# Altium PCB Dahlia Carrier Board.PcbDoc (part 7 of 10) (continued)
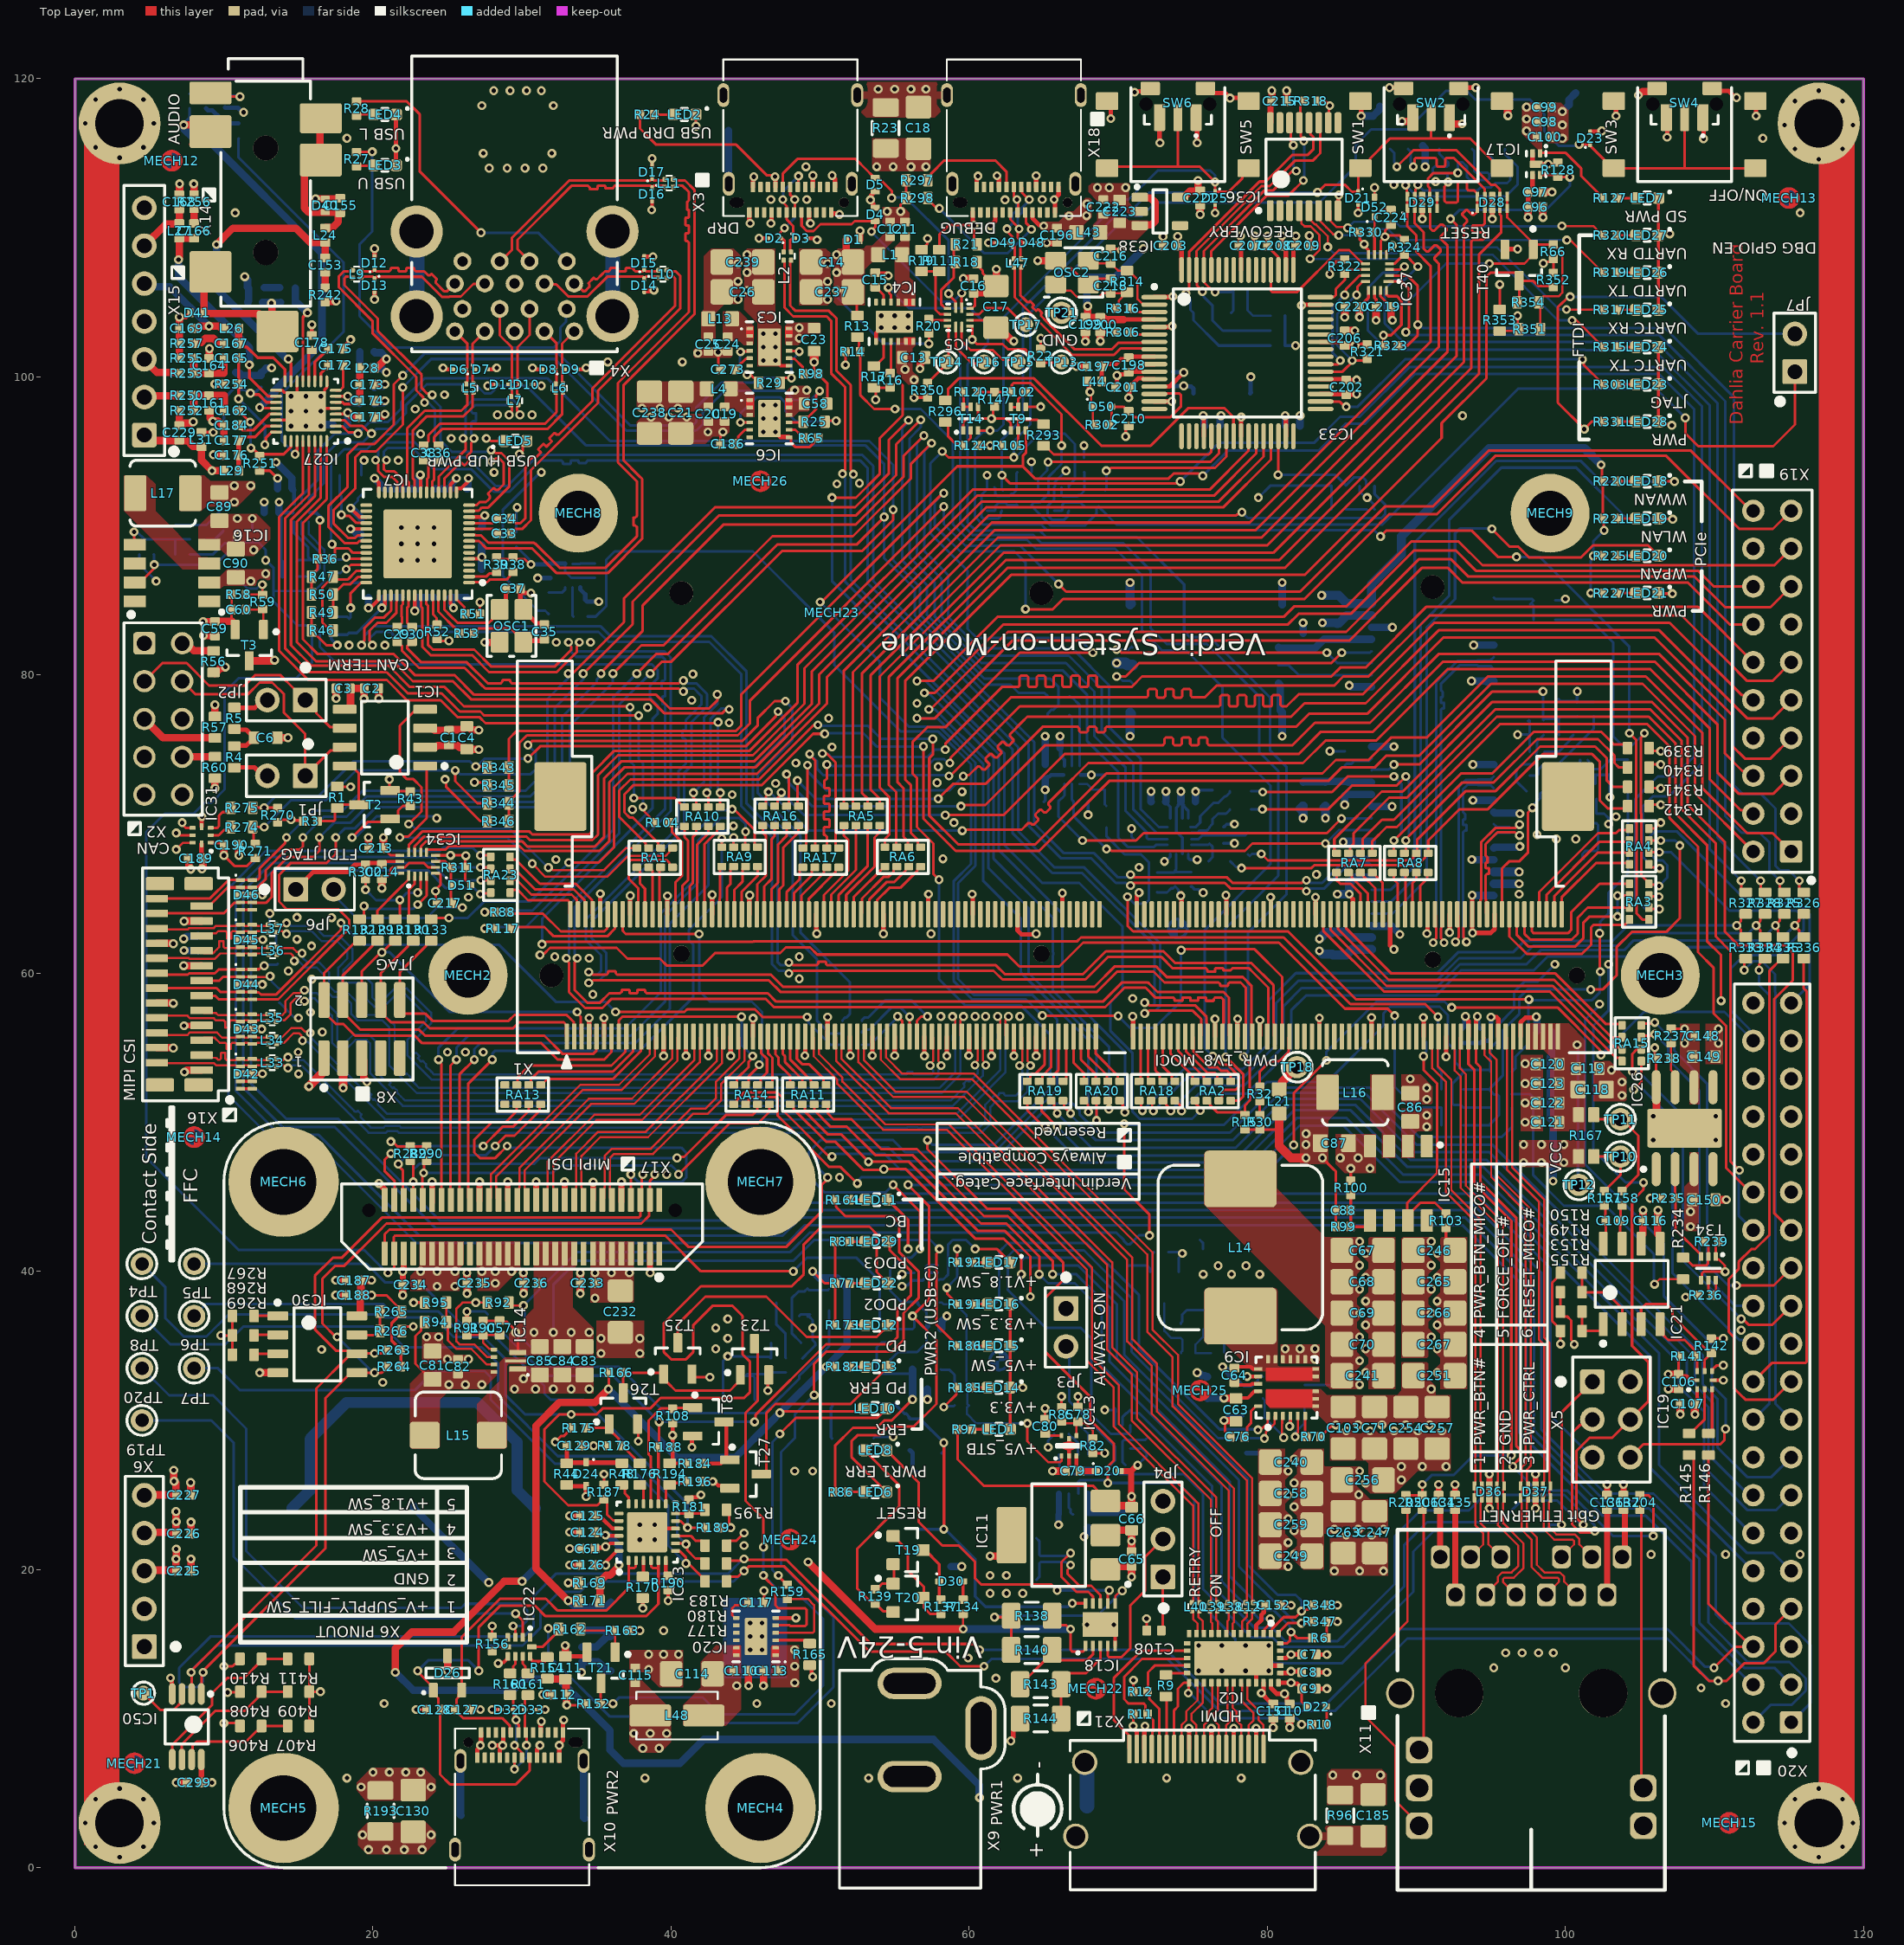
[diagram p0: Top Layer view]
## Nets (pads, with @x,y where several pads share a name; then routed paths per layer and width w, separated by ;. In a path a pad name is that pad's centre, name@x,y a point inside that pad or via, vN(x,y) a via of type N, cw(c..) or ccw(c..) an arc to the next point about the centre after c; other vN are vias at no path point) (continued)
NetC108_1: C108.1 JP4.1 | length 3.6
  Top Layer w0.175: C108.1@72.89,15.9 72.89,15.963 73,16.073 JP4.1@73,19.5
NetC109_1: C109.1 IC21.7 R158.2 | length 2.7
  Top Layer w0.175: IC21.7@103.815,41.85 103.69,41.975 C109.1@103.69,43.4 103.7,43.41 103.7,44.253 103.815,44.368 R158.2@103.815,44.419
NetC109_2: C109.2 IC21.8 R157.2 | length 2.7
  Top Layer w0.175: IC21.8@102.545,41.85 102.71,42.015 C109.2@102.71,43.4 102.7,43.41 102.7,44.334 R157.2@102.615,44.419
NetC117_2: C117.2 IC20.7 | length 2.1
  Top Layer w0.15: IC20.7@44.38,16.75 44.28,16.75 44.1,16.93 44.1,17.4 44.3,17.6 45.01,17.6 C117.2@45.21,17.8
NetC124_2: C124.2 IC23.22 R169.2 R171.1 | length 7.2
  Top Layer w0.25: C124.2@34.89,22.5 C124.2@35.034,22.356 ; v1(35.6,22.3) 35.703,22.3 35.753,22.25 IC23.22@36.5,22.25
  Top Layer w0.3: C124.2@35.034,22.356 35.547,22.356 35.6,22.303 v1(35.6,22.3)
  Top Layer w0.5: R171.1@35.225,17.9 R169.2@35.225,19.1 ; R169.2@35.225,19.143 35.225,19.2 35.634,19.609 35.904,19.609 36.481,20.185 36.481,20.281 v1(36.5,20.3)
  Bottom Layer w0.5: v1@35.619,22.281 35.814,22.281 36.5,21.595 v1(36.5,20.3)
NetC129_1: C129.1 D24.C R44.1 R48.2 | length 4.9
  Top Layer w0.3: C129.1@33.01,28.3 33,28.29 R44.1@33,27.125 33.037,27.163 34.262,27.163 D24.C@34.3,27.2 ; D24.C@34.287,27.163 36.662,27.163 R48.2@36.7,27.125
NetC143_1: C143.1 R229.2 T32.1 | length 5.8
  Bottom Layer w0.175: C143.1@101.11,70.7 101.11,70.66 101.72,70.05 102.097,70.05 102.2,69.947 102.2,68.315 102.097,68.213 101.362,68.213 101.15,68 101.15,67.75 T32.1@101.25,67.65
  Bottom Layer w0.18: R229.2@100,70.72 100.06,70.66 C143.1@101.11,70.66
NetC152_1: C152.1 IC2.3 | length 2.2
  Top Layer w0.3: IC2.3@79.25,15.7 79.25,16.25 79.6,16.6 79.6,16.948 79.77,17.119 79.77,17.46 C152.1@79.91,17.6
NetC153_1: C153.1 R242.2 | length 1
  Top Layer w0.5: R242.2@16.8,105.98 C153.1@16.8,107.01
NetC154_1: C154.1 R243.2 | length 1
  Bottom Layer w0.5: R243.2@12.71,106 C154.1@13.74,106
NetC166_1: C166.1 R256.2 | length 1
  Top Layer w0.5: C166.1@8,110.29 R256.2@8,111.27
NetC167_1: C167.1 R257.2 | length 2.3
  Top Layer w0.5: R257.2@7.98,102.25 7.98,102.275 8.015,102.31 8.478,102.31 8.745,102.577 9.305,102.577 9.552,102.33 9.97,102.33 10.01,102.29 C167.1@10.01,102.25
NetC172_1: C172.1 IC27.10 | length 1.3
  Top Layer w0.2: IC27.10@16.5,99.75 16.5,100.25 17.01,100.76 C172.1@17.01,100.8
NetC172_2: C172.2 IC27.8 | length 2.1
  Top Layer w0.175: IC27.8@17.5,99.1 17.793,99.1 18,99.307 18,100.79 C172.2@17.99,100.8
NetC173_2: C173.2 C174.2 IC27.6 L28.2 | length 3.7
  Top Layer w0.2: IC27.6@17.5,98.3 17.955,98.3 18.082,98.173 18.518,98.173 18.545,98.2 C174.2@18.92,98.2
  Top Layer w0.5: C174.2@19.11,98.4 C173.2@19.11,99.5 L28.2@19.11,100.6
NetC175_2: C175.2 IC27.11 | length 2.6
  Top Layer w0.2: IC27.11@16.1,99.75 16.1,100.99 16.78,101.67 16.82,101.67 17.01,101.86 C175.2@17.01,101.9
NetC176_2: C176.2 C177.2 IC27.23 L29.2 | length 5
  Top Layer w0.2: C176.2@10.98,94.75 C176.2@10.985,94.755 ; C177.2@10.985,95.745 C177.2@10.99,95.75 10.99,95.789 11.172,95.971 12.079,95.971 12.808,96.7 IC27.23@13.5,96.7
  Top Layer w0.3: C176.2@10.98,94.75 10.985,94.745 10.985,93.705 L29.2@10.99,93.7 ; C176.2@10.985,94.755 C177.2@10.985,95.745
NetC178_2: C178.2 IC27.12 | length 2.2
  Top Layer w0.2: IC27.12@15.7,99.7 15.7,99.75 15.7,100.794 15.7,101.693 15.783,101.693 C178.2@15.9,101.81
NetC179_2: C179.2 C180.2 C181.2 IC27.7 L30.2 | length 5.3
  Top Layer w0.2: IC27.7@17.5,98.7 v1(18.3,98.7)
  Bottom Layer w0.5: v1(18.3,98.7) 18.72,98.28 19.07,98.28 C181.2@19.11,98.24 ; C181.2@19.11,98.2 C181.2@19.11,98.24 ; L30.2@19.11,101.7 C179.2@19.11,100.6 C180.2@19.11,99.3 C181.2@19.11,98.24
NetC182_2: C182.2 C183.2 IC27.19 L31.2 | length 8.5
  Top Layer w0.2: L31.2@8.5,96.29 8.505,96.285 9.277,96.285 v1(9.282,96.28) ; v1(11.779,98.908) 11.855,98.832 12.318,98.832 12.85,98.3 13.2,98.3 IC27.19@13.5,98.3
  Bottom Layer w0.2: v1(9.282,96.28) 9.991,96.989 9.991,98.541 10.76,99.31 C183.2@10.8,99.31 10.961,99.149 11.43,99.149 11.671,98.908 v1(11.779,98.908) 11.855,98.985 12.135,98.985 12.46,99.31 C182.2@12.5,99.31
NetC184_2: C184.2 IC27.21 | length 3.1
  Top Layer w0.2: C184.2@10.99,96.75 10.99,96.71 11.275,96.425 11.978,96.425 13.053,97.5 IC27.21@13.5,97.5
NetC186_2: C186.2 IC6.5 | length 1.6
  Top Layer w0.175: C186.2@44.29,95.5 44.492,95.703 44.492,95.992 44.94,96.44 45.27,96.44 IC6.5@45.28,96.45
NetC195_1: C195.1 D47.C IC32.7 R287.2 | length 3.6
  Bottom Layer w0.175: D47.C@72.6,66.76 73.78,66.76 R287.2@73.8,66.78 ; IC32.7@73.9,68 73.9,66.978 73.8,66.877 R287.2@73.8,66.78 ; C195.1@74.9,66.79 74.89,66.78 R287.2@73.8,66.78
NetC196_2: C196.2 L43.2 X18.A4 X18.A9 X18.B4 X18.B9 | length 4
  Top Layer w0.3: v1(61.424,110.13) 61.75,110.456 X18.A9@61.75,111.04 ; v1(61.865,113.5) 61.865,113.419 62,113.284 X18.B4@62,112.74 ; X18.A4@64.25,111.04 64.25,110.641 64.703,110.188 64.942,110.188 v1(65,110.13) ; X18.B9@64.5,112.74 64.5,113.329 64.565,113.394 64.5,113.459 v1(64.5,113.5)
  other v1: 66.7,110.8 67.883,110.817 67.9,111.6
NetC197_2: C197.2 C198.2 IC33.9 L44.2 | length 4.6
  Top Layer w0.3: L44.2@68.89,99.7 C197.2@68.89,100.7 ; C197.2@69.03,100.87 69.87,100.87 70.188,101.188 70.598,101.188 70.81,101.4 70.86,101.35 IC33.9@72.425,101.35
NetC199_2: C199.2 C200.2 IC33.4 L45.2 | length 6.5
  Top Layer w0.3: 70.35,103.85 IC33.4@72.425,103.85
  Top Layer w0.5: v1(67.95,104.75) 67.95,104.15 C199.2@67.8,104 67.805,103.995 68.795,103.995 C200.2@68.8,103.99 68.84,103.99 68.88,103.95 69.064,103.95 69.164,103.85 70.35,103.85
  Bottom Layer w0.5: L45.2@67.9,105.71 67.9,104.827 67.95,104.777 v1(67.95,104.75) v1@67.931,104.731
NetC210_2: C210.2 D50.A IC33.14 R302.1 | length 9.2
  Top Layer w0.15: R302.1@69.38,96.8 69.56,96.98 D50.A@69.56,98
  Top Layer w0.175: D50.A@69.56,98 70.355,98 70.457,97.897 70.457,97.892 70.66,97.69 C210.2@70.7,97.69 70.74,97.69 70.943,97.488 70.943,97.447 71.09,97.3 73.5,97.3 74.2,98 74.2,98.797 74.097,98.9 73.288,98.9 73.262,98.874 72.449,98.874 IC33.14@72.425,98.85
NetC216_1: C216.1 IC33.2 OSC2.3 R314.2 | length 6.4
  Top Layer w0.15: OSC2.3@68,107.8 68.19,107.61 C216.1@69.5,107.61 69.54,107.61 69.755,107.395 69.755,107.355 69.985,107.125 R314.2@70.6,107.125 70.7,107.125 71.3,106.525 71.3,105.22 71.67,104.85 IC33.2@72.425,104.85
NetC217_1: C217.1 D51.C IC34.7 JP6.2 R311.2 | length 14.4
  Top Layer w0.175: IC34.7@24.2,67.5 24.845,67.5 25.22,67.125 25.22,65.92 D51.C@25.24,65.9 25.24,64.71 25.454,64.496 25.789,64.496 25.885,64.4 v1(26,64.4)
  Bottom Layer w0.175: JP6.2@17.36,65.62 17.36,65.24 18.9,63.7 23.6,63.7 24.3,64.4 v1(26,64.4)
NetC218_2: C218.2 OSC2.1 R314.1 R316.2 | length 6.2
  Top Layer w0.15: OSC2.1@66.377,106.2 66.377,105.84 66.422,105.795 66.805,105.795 67.225,105.375 68.723,105.375 68.958,105.61 C218.2@69.5,105.61 R314.1@70.438,105.61 ; R316.2@69.82,104.6 70.03,104.81 70.03,105.105 70.254,105.329 70.254,105.425 R314.1@70.438,105.61 ; R314.1@70.6,105.675 70.535,105.61 R314.1@70.438,105.61
NetC224_1: C224.1 D52.C IC37.7 R330.2 | length 3.9
  Top Layer w0.15: R330.2@87.08,109.7 87.2,109.82 D52.C@87.2,110.74 87.2,110.78 87.325,110.905 87.365,110.905 87.65,111.19 C224.1@88.3,111.19
  Top Layer w0.2: R330.2@87.08,109.7 87.184,109.596 87.184,109.496 87.2,109.48 IC37.7@87.2,108.2
NetC231_2: C231.2 L3.1 L8.1 X13.24 | length 4.6
  Bottom Layer w0.5: L3.1@82.4,72.8 82.45,72.85 83.85,72.85 L8.1@83.9,72.8 83.96,72.86 85.16,72.86 C231.2@85.2,72.9 ; C231.2@85.34,72.89 85.43,72.8 X13.24@87,72.8
NetC273_2: C273.2 IC3.5 | length 1.3
  Top Layer w0.18: C273.2@44.29,100.5 44.29,100.54 44.49,100.74 44.53,100.74 45.005,101.215 45.245,101.215 IC3.5@45.28,101.25
NetD22_C: D22.C R10.2 | length 1.2
  Top Layer w0.175: D22.C@83.96,10.8 83.98,10.78 R10.2@83.98,9.6
NetD28_5: D28.5 D28.6 R66.1 R351.2 R354.1 T40.1 X7.10A | length 23.4
  Top Layer w0.15: v1(94.9,107.6) 97.248,107.6 97.623,107.975 97.625,107.975 97.85,108.2 T40.1@97.85,108.55 97.85,108.655 98.075,108.88 R66.1@99.225,108.88 ; D28.6@96.1,112.1 D28.5@96.1,111.3 96.1,111.112 96.1,110.7 97.625,109.175 97.625,108.775 T40.1@97.798,108.603 ; R351.2@98.325,103.2 98.325,104.9 R354.1@98.225,105 98.225,105.097 98.528,105.4 99.55,105.4 99.8,105.65 99.8,108.4 99.53,108.67 99.41,108.67 R66.1@99.2,108.88
  Bottom Layer w0.15: X7.10A@89.15,105 89.4,105 92,107.6 v1(94.9,107.6)
NetD29_5: D29.5 D29.6 | length 0.8
  Top Layer w0.175: D29.5@91.4,111.3 D29.6@91.4,112.1
NetD30_A: D30.A R134.1 | length 1.2
  Top Layer w0.2: R134.1@59.6,17.98 D30.A@59.6,19.2
NetD30_C: D30.C R137.2 T19.3 | length 4.9
  Top Layer w0.2: T19.3@56.85,21.3 56.55,21.6 56.6,21.6 T19.3@56.9,21.3 ; T19.3@56.95,21.3 T19.3@56.9,21.3 ; R137.2@58.1,17.98 58,18.08 58,20.35 57.05,21.3 T19.3@56.9,21.3
NetD31_1: D31.1 IC18.10 R136.2 T17.4 T18.4 | length 27.4
  Top Layer w0.2: v1(58.3,22.7) v1(58.3,28.5) ; v1(66.925,17.725) IC18.10@67.8,17.725
  Bottom Layer w0.2: R136.2@53.575,31.1 55,31.1 55.66,30.44 55.775,30.44 D31.1@56,30.215 ; D31.1@55.95,30.165 56.015,30.1 56.7,30.1 v1(58.3,28.5) 58.3,27.94 T18.4@58.165,27.805 ; T17.4@56.535,22.695 58.405,22.695 60.4,20.7 60.4,18.2 61.1,17.5 66.608,17.5 66.833,17.725 v1(66.925,17.725)
NetD31_2: D31.2 T17.1 T17.2 T17.3 T18.1 T18.2 T18.3 | length 1.8
  Bottom Layer w0.3: D31.2@56,27.985 56.025,27.985 56.2,27.81 56.2,26.73 56.425,26.505 T17.1@56.535,26.505
NetD42_4: D42.4 D42.7 | length 0.8
  Top Layer w0.2: D42.4@11.1,52.75 D42.7@11.9,52.75
NetD42_5: D42.5 D42.6 | length 0.8
  Top Layer w0.2: D42.5@11.1,52.25 D42.6@11.9,52.25
NetD46_5: D46.5 D46.6 | length 0.8
  Top Layer w0.175: D46.5@11.1,64.25 D46.6@11.9,64.25
NetIC1_8: IC1.8 R1.1 R3.2 T2.3 | length 6.9
  Top Layer w0.175: R3.2@16.28,70.2 17.358,70.2 17.461,70.303 17.461,70.936 17.825,71.3 T2.3@19.05,71.3 19.05,73.417 18.812,73.654 18.812,73.682 18.6,73.895 IC1.8@18.1,73.895
NetIC2_17: IC2.17 R9.1 | length 1.5
  Top Layer w0.175: R9.1@73.2,12.925 73.3,12.925 73.425,13.05 IC2.17@74.625,13.05
NetIC3_8: IC3.8 R98.2 | length 1.7
  Top Layer w0.18: IC3.8@47.92,101.25 47.955,101.215 48.285,101.215 48.825,100.675 48.825,100.295 R98.2@48.92,100.2
NetIC4_8: IC4.8 R17.2 | length 2
  Top Layer w0.175: R17.2@53.6,100.725 53.7,100.725 54.25,101.275 IC4.8@54.25,102.38
NetIC5_3: IC5.3 R18.1 R21.1 | length 5.1
  Top Layer w0.175: IC5.3@58.55,104.6 58.538,104.613 58.388,104.613 58.11,104.89 58.11,105.813 58.975,106.677 58.975,107.551 59.075,107.651 R18.1@59.075,107.7 58.975,107.8 58.975,108.754 59.075,108.854 R21.1@59.075,108.9
NetIC5_4: IC5.4 R19.1 R111.1 | length 4.8
  Top Layer w0.175: R19.1@56.8,107.075 R111.1@57.987,107.075 ; R111.1@58,107.075 R111.1@57.987,107.075 ; IC5.4@58.55,104.2 58.05,104.2 57.75,104.5 57.75,106.838 R111.1@57.987,107.075
NetIC5_5: IC5.5 R20.1 | length 1.3
  Top Layer w0.175: R20.1@57.3,103.88 57.38,103.8 IC5.5@58.55,103.8
NetIC5_6: IC5.6 R350.2 TP14.1 | length 4.4
  Top Layer w0.175: R350.2@57.2,99.58 57.225,99.58 57.422,99.777 57.422,99.802 58.5,100.88 TP14.1@58.5,101 58.553,101.053 TP14.1@58.572,101.053 ; IC5.6@58.55,103.4 58.602,103.4 58.614,103.388 TP14.1@58.614,101.103
NetIC5_7: IC5.7 TP16.1 | length 3.7
  Top Layer w0.175: IC5.7@59.1,103.35 59.1,102 60.2,100.9 60.9,100.9 TP16.1@61,101
NetIC5_8: IC5.8 TP15.1 | length 5.3
  Top Layer w0.175: IC5.8@59.5,103.35 59.5,102.4 60.1,101.8 61.6,101.8 62.242,101.158 63.092,101.158 63.25,101 TP15.1@63.3,101
NetIC5_11: IC5.11 TP17.1 | length 4.4
  Top Layer w0.175: IC5.11@60.05,104.2 60.675,104.2 61.075,104.6 62.6,104.6 63.7,103.5 TP17.1@63.8,103.5
NetIC6_8: IC6.8 R65.2 | length 1.2
  Top Layer w0.175: IC6.8@47.92,96.45 48.339,96.45 48.667,96.123 48.722,96.123 48.92,95.925 R65.2@48.92,95.9
NetIC7_53: IC7.53 R53.2 | length 3.2
  Top Layer w0.175: IC7.53@24.4,85.35 24.386,85.336 24.386,84.259 25.622,83.023 25.82,82.825 R53.2@25.82,82.8
NetIC8_6: IC8.6 R41.1 R45.1 | length 5.5
  Bottom Layer w0.175: R41.1@14.88,86.6 R45.1@15.775,86.6 ; IC8.6@15.2,90.295 15.2,89.456 15.816,88.84 15.821,88.84 16.437,88.223 16.437,87.163 15.925,86.65 R45.1@15.825,86.65 ; R45.1@15.875,86.5 R45.1@15.875,86.6
NetIC8_7: IC8.7 R40.1 R42.1 | length 4.1
  Bottom Layer w0.175: IC8.7@14.7,90.295 14.7,89.529 15.637,88.591 15.637,87.938 15.825,87.75 R42.1@15.875,87.7 14.98,87.7 R40.1@14.88,87.6
NetIC9_6: IC9.6 R70.1 | length 1.4
  Top Layer w0.175: IC9.6@82.55,30.3 82.55,28.97 R70.1@82.62,28.9
NetIC12_4: IC12.4 R76.1 | length 2
  Bottom Layer w0.18: IC12.4@58.1,33.425 58.125,33.4 58.67,33.4 59.02,33.05 R76.1@59.02,32.1
NetIC14_2: IC14.2 L15.2
NetIC15_3: IC15.3 L16.1
NetIC16_3: IC16.3 L17.1
NetIC18_2: IC18.2 R140.1 R143.2 | length 7
  Top Layer w0.175: R143.2@63.425,12.3 63.425,12.435 63.61,12.435 64.988,13.813 65.038,13.813 65.575,14.35 R140.1@65.575,14.4 ; R140.1@65.575,14.6 65.625,14.55 65.625,14.388 66.112,13.9 67.9,13.9 68.3,14.3 IC18.2@68.3,14.875
NetIC18_3: IC18.3 R143.1 R144.2 | length 6.6
  Top Layer w0.175: R144.2@66.175,10 66.175,12.513 66.707,13.045 66.766,13.045 66.771,13.05 67.85,13.05 68.8,14 IC18.3@68.8,14.875
NetIC18_4: IC18.4 JP4.2 | length 10.7
  Top Layer w0.175: IC18.4@69.3,14.875 69.3,14.203 69.403,14.1 70.2,14.1 70.8,14.7 70.8,17.566 71.8,18.566 71.8,20.84 JP4.2@73,22.04
NetIC18_6: IC18.6 R138.1 R140.2 | length 14
  Top Layer w0.15: IC18.6@69.8,17.725 69.802,17.727 69.802,18.202 70.17,18.57 v1(70.27,18.57)
  Top Layer w0.175: v1(61.7,16.8) 62.375,16.8 62.65,17.075 R138.1@62.825,16.9 R140.2@62.825,14.6
  Bottom Layer w0.175: v1(61.7,16.8) 61.781,16.881 61.994,16.881 62.013,16.9 68.6,16.9 v1(70.27,18.57)
NetIC18_7: IC18.7 LED8.K | length 22
  Top Layer w0.175: LED8.K@54.45,28 56.6,25.85 56.6,23.2 58.2,21.6 59.3,21.6 60.4,20.5 60.4,19.4 60.8,19 65.5,19 v1(65.9,18.6) ; IC18.7@69.3,17.725 69.3,18.378 69.4,18.478 v1(69.4,18.6)
  Bottom Layer w0.175: v1(65.9,18.6) v1(69.4,18.6)
NetIC18_8: IC18.8 R135.3 | length 7.4
  Top Layer w0.175: v1(66.8,20.3) 66.8,20.185 66.6,19.985 66.6,19.7 67.4,18.9 68.2,18.9 68.8,18.3 IC18.8@68.8,17.725
  Bottom Layer w0.175: R135.3@64.508,19.303 64.7,19.495 64.7,20.397 64.803,20.5 66.485,20.5 66.685,20.3 v1(66.8,20.3)
NetIC18_9: IC18.9 R135.2 | length 8.4
  Top Layer w0.175: v1(66.8,21.1) 66.2,20.5 66.2,19.5 67.2,18.5 68,18.5 68.3,18.2 IC18.9@68.3,17.725
  Bottom Layer w0.175: R135.2@64.508,22.097 64.7,21.905 64.7,21.003 64.803,20.9 66.485,20.9 66.685,21.1 v1(66.8,21.1)
NetIC19_2: IC19.2 R145.2 | length 3.5
  Top Layer w0.18: R145.2@108.3,29.125 108.4,29.125 108.635,29.36 109.345,30.07 IC19.2@109.345,32.095
NetIC19_3: IC19.3 R146.2 | length 3.1
  Top Layer w0.18: R146.2@109.6,29.125 109.61,29.125 109.845,29.36 IC19.3@109.845,32.095
NetIC19_6: IC19.6 IC21.3 R142.1 | length 8.8
  Top Layer w0.175: IC21.3@105.085,36.45 105.085,37.485 105.4,37.8 106.8,37.8 107.2,37.4 107.2,36.995 109.577,34.618 R142.1@109.68,34.515 ; IC19.6@109.345,33.305 109.345,34.065 109.577,34.298 109.577,34.323 109.713,34.458 109.737,34.458 R142.1@109.8,34.52
NetIC19_7: IC19.7 IC21.4 R141.1 | length 4.8
  Top Layer w0.175: IC21.4@106.355,36.45 106.567,36.237 106.567,35.733 106.9,35.4 108,35.4 108.63,34.77 108.63,34.35 R141.1@108.68,34.3 108.845,34.135 IC19.7@108.845,33.305
NetIC20_3: IC20.3 R165.2 | length 2.4
  Top Layer w0.2: IC20.3@47.02,15.25 49.16,15.25 49.16,15.165 R165.2@49.3,15.025
NetIC20_4: IC20.4 R159.2 | length 6.4
  Top Layer w0.15: IC20.4@47.02,15.75 49.512,15.75 49.6,15.838 49.6,17.6 49.18,18.02 R159.2@47.8,18.02
NetIC20_5: IC20.5 R152.1 T21.3 T23.3 | length 52.2
  Top Layer w0.175: T21.3@35.512,12.913 35.3,12.7 T21.3@35.3,12.35 35.28,12.33 R152.1@35.28,11 v1(36.1,11) ; T23.3@45.6,35.15 45.8,34.95 45.8,31.3 45,30.5 45,24.6 46.2,23.4 v1(46.2,21.5) ; v1(46.2,19.6) 46.2,19.527 47,18.727 47,17.6 47.2,17.4 48.997,17.4 49.1,17.297 49.1,16.303 48.997,16.2 48,16.2 47.95,16.25 IC20.5@47.02,16.25
  Bottom Layer w0.175: v1(36.1,11) 36.5,11.4 42.15,11.4 43.275,10.275 48.275,10.275 50.2,12.2 50.2,16.7 48.1,18.8 47,18.8 v1(46.2,19.6) v1(46.2,21.5)
NetIC21_1: IC21.1 R153.1 R155.1 | length 3
  Top Layer w0.175: R153.1@101.125,37.3 R155.1@101.125,36 102.332,36 102.545,36.213 IC21.1@102.545,36.45
NetIC21_2: IC21.2 R149.1 R150.1 | length 5.5
  Top Layer w0.175: R150.1@101.125,39.9 R149.1@101.125,38.6 102.727,38.6 103.815,37.513 IC21.2@103.815,36.45
NetIC22_2: IC22.2 TP19.1 | length 37
  Top Layer w0.175: v1(29.573,17.04) 30.05,16.563 IC22.2@30.05,15.44
  Bottom Layer w0.175: TP19.1@4.5,30 9.15,30 10.65,28.5 10.65,20.85 14.775,16.725 26.075,16.725 26.39,17.04 v1(29.573,17.04)
NetIC22_3: IC22.3 TP20.1 | length 40.2
  Top Layer w0.175: v1(29.4,16.2) 29.4,16.085 29.55,15.935 IC22.3@29.55,15.44
  Bottom Layer w0.175: TP20.1@4.5,33.5 6.325,31.675 9.275,31.675 11.5,29.45 11.5,21.225 15.3,17.425 25.925,17.425 26.2,17.7 29.9,17.7 30.325,17.275 30.325,16.55 29.975,16.2 v1(29.4,16.2)
NetIC22_5: IC22.5 R156.1 | length 1.1
  Top Layer w0.175: R156.1@28,14.52 28.025,14.52 28.305,14.8 IC22.5@28.94,14.8
NetIC22_9: IC22.9 R154.1 | length 1.6
  Top Layer w0.25: IC22.9@30.55,14.16 30.55,14.02 30.745,13.825 31.5,13.825 31.596,13.921 31.596,14.021 R154.1@31.7,14.125
NetIC22_10: IC22.10 R162.1 R164.2 | length 71.7
  Top Layer w0.175: IC22.10@30.66,14.8 31.375,14.8 32.237,15.663 32.475,15.9 R162.1@32.475,16 32.43,16.045 v1(31.762,16.045) ; v1(49.6,31.7) 49.6,33.8 50.4,34.6 54.8,34.6 55.6,35.4 55.6,37.2 56.6,38.2 56.6,40 55.3,41.3 55.3,43.3 54.9,43.7 51.7,43.7 51.07,44.33 51.07,44.75 R164.2@51.02,44.8
  Bottom Layer w0.175: v1(31.762,16.045) 31.762,14.263 35.9,10.125 42.375,10.125 42.8,9.7 48.5,9.7 50.9,12.1 50.9,16.8 47.375,20.325 47.375,27.875 48.3,28.8 48.3,30.4 v1(49.6,31.7)
NetIC23_3: IC23.3 R170.2 | length 1.1
  Top Layer w0.25: R170.2@38.1,19.525 38.15,19.525 IC23.3@38.15,20.6
NetIC23_6: IC23.6 R190.1 | length 1.1
  Top Layer w0.25: IC23.6@39.65,20.6 39.65,19.83 39.698,19.782 39.698,19.682 R190.1@39.8,19.58
NetIC23_7: IC23.7 R177.2 TP7.1 | length 45.1
  Top Layer w0.175: IC23.7@40.3,21.25 40.338,21.213 40.597,21.213 40.982,20.828 40.982,20.418 v1(41,20.4) 41.081,20.319 41.256,20.319 42.275,19.3 R177.2@42.275,19.2
  Bottom Layer w0.175: TP7.1@8,33.5 9.6,33.5 11.061,32.039 22.839,32.039 24.1,33.3 27.5,33.3 27.9,32.9 27.9,31.4 32.2,27.1 37,27.1 39.8,24.3 39.8,21.6 v1(41,20.4)
NetIC23_8: IC23.8 R180.2 TP8.1 | length 49.1
  Top Layer w0.175: IC23.8@40.3,21.75 40.95,21.75 v1(41,21.7) 41.081,21.619 41.081,21.294 41.637,20.737 42.037,20.737 42.275,20.5 R180.2@42.275,20.4
  Bottom Layer w0.175: TP8.1@4.5,37 6.4,35.1 10.1,35.1 11.3,36.3 20.7,36.3 22.1,34.9 27.3,34.9 28.4,33.8 28.4,31.6 32.4,27.6 37.2,27.6 40.4,24.4 40.4,22.3 v1(41,21.7)
NetIC23_9: IC23.9 R183.1 | length 2.3
  Top Layer w0.175: IC23.9@40.3,22.25 41.325,22.25 41.637,21.937 42.037,21.937 42.275,21.7 R183.1@42.275,21.6
NetIC23_11: IC23.11 R189.2 TP6.1 | length 43.1
  Top Layer w0.175: IC23.11@40.3,23.25 40.33,23.22 40.68,23.22 v1(41.1,22.8) R189.2@42.32,22.8
  Bottom Layer w0.175: TP6.1@8,37 8.8,37.8 20.7,37.8 21.2,37.3 24.4,37.3 25.7,36 27.8,36 31.5,32.3 31.5,31.8 31.9,31.4 34.1,31.4 41.1,24.4 v1(41.1,22.8)
NetIC23_12: IC23.12 R181.2 R195.1 | length 2.2
  Top Layer w0.175: IC23.12@40.3,23.75 41.155,23.75 41.185,23.72 R181.2@41.2,23.72 41.23,23.75 42.175,23.75 42.275,23.85 R195.1@42.275,24
NetIC23_13: IC23.13 R194.1 R196.2 | length 2.7
  Top Layer w0.175: IC23.13@39.65,24.4 39.65,25.438 39.887,25.675 R194.1@39.9,25.675 40.025,25.8 41.02,25.8 R196.2@41.12,25.9
NetIC23_14: IC23.14 LED29.K R188.2 TP5.1 | length 67.1
  Top Layer w0.175: R188.2@39.12,28.16 39.15,28.13 IC23.14@39.15,24.4 ; R188.2@39.12,28.2 39.2,28.28 v1(39.2,29.9) ; v1(45.6,29.9) 45.681,29.981 45.681,30.381 50.4,35.1 54.7,35.1 55.2,35.6 55.2,37.5 56.1,38.4 56.1,40 54.66,41.44 54.66,41.89 LED29.K@54.55,42
  Bottom Layer w0.175: TP5.1@8,40.5 19.575,40.5 20.825,39.25 23.15,39.25 25.9,36.5 28.1,36.5 31.6,33 36.1,33 v1(39.2,29.9) v1(45.6,29.9)
NetIC23_15: IC23.15 R108.1 T8.1 | length 9
  Top Layer w0.175: IC23.15@38.65,24.4 38.65,27.55 38.5,27.7 38.5,30 39.3,30.8 R108.1@40.1,30.8 ; R108.1@40.1,30.78 40.17,30.85 T8.1@41.45,30.85
NetIC23_16: IC23.16 R176.2 | length 1.4
  Top Layer w0.175: R176.2@37.9,25.675 37.912,25.675 38.15,25.438 IC23.16@38.15,24.4
NetIC23_18: IC23.18 R48.1 | length 1.5
  Top Layer w0.175: R48.1@36.7,25.675 36.91,25.465 36.91,25.09 37.15,24.85 IC23.18@37.15,24.4
NetIC23_20: IC23.20 LED22.K R187.2 TP4.1 | length 99.6
  Top Layer w0.175: R187.2@35.5,24.72 35.475,24.72 35.055,24.3 33.1,24.3 31.5,25.9 31.5,29.4 32.5,30.4 v1(33.3,30.4) 35,30.4 35.4,30.8 38.6,30.8 39.3,31.5 44.9,31.5 45.3,31.9 45.3,33.925 44.8,34.425 44.8,37 44.1,37.7 42.8,37.7 41.5,36.4 41.5,34.6 41,34.1 40,34.1 39.5,34.6 39.5,36.5 42,39 48.1,39 48.9,39.8 48.9,41.8 50.1,43 53.3,43 53.8,42.5 53.8,39.95 LED22.K@54.55,39.2 ; R187.2@35.502,24.72 35.7,24.523 35.7,23.7 36.113,23.288 36.463,23.288 IC23.20@36.5,23.25
  Bottom Layer w0.175: TP4.1@4.5,40.5 6.075,38.925 6.075,36.85 7.3,35.625 8.825,35.625 10.3,37.1 20.6,37.1 20.8,36.9 24.1,36.9 25.4,35.6 27.4,35.6 28.9,34.1 28.9,31.7 30.2,30.4 v1(33.3,30.4)
NetIC25_2: IC25.2 R210.2 | length 3.5
  Bottom Layer w0.175: R210.2@66.725,77.325 66.9,77.15 IC25.2@66.9,73.905
NetIC25_3: IC25.3 R211.2 | length 5
  Bottom Layer w0.175: R211.2@66.725,78.575 66.825,78.475 66.925,78.475 67.4,78 IC25.3@67.4,73.905
NetIC25_5: IC25.5 R213.2 R214.2 | length 3
  Bottom Layer w0.15: IC25.5@67.4,72.695 67.907,72.695 68.283,72.32 68.9,72.32 R214.2@69.1,72.32 69.1,71.325 R213.2@69.2,71.225
NetIC26_2: IC26.2 R235.2 T34.3 | length 6.6
  Top Layer w0.175: IC26.2@107.365,46.85 107.365,44.915 R235.2@107.38,44.9 ; R235.2@107.38,44.946 107.38,42.82 109.012,41.188 109.038,41.188 109.1,41.125 T34.3@109.1,40.99
NetIC30_1: IC30.1 R267.2 | length 1.6
  Top Layer w0.175: R267.2@12.025,37 12.033,37.008 IC30.1@13.617,37.008
NetIC30_2: IC30.2 R268.2 | length 1.6
  Top Layer w0.175: R268.2@12.025,35.7 12.063,35.738 IC30.2@13.617,35.738
NetIC30_3: IC30.3 R269.2 | length 1.6
  Top Layer w0.18: R269.2@12.025,34.4 12.093,34.468 IC30.3@13.617,34.468
NetIC30_7: IC30.7 R265.2 R266.2 | length 3
  Top Layer w0.175: IC30.7@18.917,35.738 18.942,35.714 20.237,35.714 20.475,35.951 R266.2@20.475,36 20.473,36.002 20.473,37.298 R265.2@20.475,37.3
NetIC31_2: IC31.2 R274.1 | length 1.7
  Top Layer w0.175: IC31.2@9.105,69.25 9.651,69.251 10,69.6 10.372,69.6 10.475,69.703 R274.1@10.475,69.8
NetIC31_3: IC31.3 R275.1 | length 2.4
  Top Layer w0.175: IC31.3@9.105,69.75 9.563,69.75 9.666,69.853 9.666,70.566 9.902,70.802 10.337,70.802 10.483,70.947 10.483,71.092 R275.1@10.475,71.1
NetIC33_3: IC33.3 R316.1 | length 1.8
  Top Layer w0.15: R316.1@70.78,104.6 70.78,104.575 71.005,104.35 IC33.3@72.425,104.35
NetIC33_6: IC33.6 R306.2 | length 1.7
  Top Layer w0.175: R306.2@70.78,103 70.93,102.85 IC33.6@72.425,102.85
NetIC33_34: IC33.34 R303.2 | length 21.3
  Top Layer w0.175: IC33.34@83.575,98.35 84.847,98.35 85.197,98 v1(85.3,98) ; v1(101.15,101.175) 101.231,101.094 101.231,100.814 102.52,99.525 R303.2@102.52,99.5
  Bottom Layer w0.175: v1(85.3,98) 86.075,98 89.25,101.175 v1(101.15,101.175)
NetIC35_4: IC35.4 R307.1 R310.1 | length 3.1
  Bottom Layer w0.15: R310.1@78.68,105.85 78.68,104.475 IC35.4@78.855,104.3 79.055,104.1 R307.1@80.22,104.1
NetIC50_3: IC50.3 TP1.1 | length 3.8
  Top Layer w0.175: TP1.1@4.6,11.7 5.725,10.575 6.612,10.575 7.181,11.144 IC50.3@7.181,11.648
NetJP1_2: JP1.2 R4.2 | length 2.5
  Top Layer w0.3: R4.2@10.7,73.775 10.8,73.775 10.825,73.8 12.039,73.8 12.599,73.24 JP1.2@12.915,73.24
NetJP2_2: JP2.2 R5.2 | length 2.4
  Top Layer w0.3: R5.2@10.7,77.825 10.8,77.825 10.825,77.8 12.064,77.8 12.584,78.32 JP2.2@12.915,78.32
NetLED1_A: LED1.A R97.1 | length 1.1
  Top Layer w0.175: R97.1@60.18,29.4 LED1.A@61.25,29.4
NetLED2_A: LED2.A R24.2 | length 1.3
  Top Layer w0.175: R24.2@38.88,117.6 LED2.A@40.15,117.6
NetLED3_A: LED3.A R27.2 | length 1.2
  Top Layer w0.175: R27.2@18.9,114.12 18.94,114.16 20.01,114.16 LED3.A@20.05,114.2
NetLED4_A: LED4.A R28.2 | length 1.2
  Top Layer w0.15: R28.2@18.9,117.52 18.98,117.6 LED4.A@20.05,117.6
NetLED5_A: LED5.A R62.1 | length 6.4
  Top Layer w0.175: v1(29.825,94.825) 30.057,95.057 30.057,95.457 LED5.A@30.3,95.7
  Layer 2 w0.175: v1(29.675,91.25) 29.75,91.325 29.75,94.75 v1(29.825,94.825)
  Bottom Layer w0.175: R62.1@29.6,89.58 29.6,91.125 29.675,91.2 v1(29.675,91.25)
NetLED6_A: LED6.A R86.1 | length 1.1
  Top Layer w0.175: R86.1@51.88,25.2 LED6.A@52.95,25.2
NetLED7_A: LED7.A R127.1 | length 1.3
  Top Layer w0.175: R127.1@103.48,112 LED7.A@104.75,112
NetLED8_A: LED8.A R139.1 T20.2 | length 15
  Top Layer w0.175: T20.2@54.9,17.144 54.844,17.2 54.22,17.2 53.922,17.497 53.922,17.522 53.544,17.901 53.299,17.901 52.5,18.7 52.5,21.4 55.3,24.2 55.3,25.65 LED8.A@52.95,28 ; LED8.A@52.95,28 52.9,27.95 52.844,27.894 52.744,27.894 52.794,27.944 52.85,28 LED8.A@52.95,28
NetLED10_K: LED10.K R159.1 | length 18.6
  Top Layer w0.175: v1(47.2,19.6) 47.2,19.555 47.775,18.98 R159.1@47.8,18.98 ; v1(47.3,29.1) 48.362,30.162 53.812,30.162 LED10.K@54.45,30.8
  Bottom Layer w0.175: v1(47.2,19.6) 47.153,19.6 46.8,19.953 46.8,28.545 47.3,29.045 v1(47.3,29.1)
NetLED11_A: LED11.A R164.1 | length 1.1
  Top Layer w0.175: R164.1@51.98,44.8 LED11.A@53.05,44.8
NetLED12_A: LED12.A R173.2 | length 1.1
  Top Layer w0.175: R173.2@51.98,36.4 LED12.A@53.05,36.4
NetLED12_K: LED12.K T25.3 | length 17.6
  Top Layer w0.175: T25.3@40.45,35.2 40.45,36.45 42.3,38.3 46.4,38.3 49.1,35.6 53.8,35.6 LED12.K@54.6,36.4
NetLED13_A: LED13.A R182.2 | length 1.1
  Top Layer w0.175: R182.2@51.98,33.6 LED13.A@53.05,33.6
NetLED13_K: LED13.K T27.3 | length 13.8
  Top Layer w0.18: T27.3@46.05,26.4 46.19,26.4 46.4,26.61 46.4,30.5 47,31.1 52.05,31.1 LED13.K@54.55,33.6
NetLED14_A: LED14.A R185.2 | length 1.1
  Top Layer w0.175: R185.2@60.18,32.2 LED14.A@61.25,32.2
NetLED15_A: LED15.A R186.1 | length 1.1
  Top Layer w0.175: R186.1@60.18,35 LED15.A@61.25,35
NetLED16_A: LED16.A R191.2 | length 1.1
  Top Layer w0.175: R191.2@60.18,37.8 LED16.A@61.25,37.8
NetLED17_A: LED17.A R192.2 | length 1.1
  Top Layer w0.18: R192.2@60.18,40.6 LED17.A@61.25,40.6
NetLED17_K: LED17.K T29.3 | length 7.7
  Top Layer w0.175: v1(60.4,41.5) 61.85,41.5 LED17.K@62.75,40.6
  Bottom Layer w0.175: T29.3@57.977,39.41 58.029,39.462 58.262,39.462 58.6,39.8 58.6,41.8 58.9,42.1 59.8,42.1 v1(60.4,41.5)
NetLED18_A: LED18.A R220.2 | length 1.3
  Top Layer w0.175: R220.2@103.48,93 LED18.A@104.75,93
NetLED19_A: LED19.A R221.2 | length 1.3
  Top Layer w0.175: R221.2@103.48,90.5 LED19.A@104.75,90.5
NetLED20_A: LED20.A R225.2 | length 1.3
  Top Layer w0.175: R225.2@103.46,88 LED20.A@104.75,88
NetLED21_A: LED21.A R227.1 | length 1.3
  Top Layer w0.175: R227.1@103.48,85.5 LED21.A@104.75,85.5
NetLED22_A: LED22.A R77.2 | length 1.1
  Top Layer w0.2: R77.2@51.98,39.2 LED22.A@53.05,39.2
NetLED23_A: LED23.A R303.1 | length 1.3
  Top Layer w0.175: R303.1@103.48,99.5 LED23.A@104.75,99.5
NetLED24_A: LED24.A R315.1 | length 1.3
  Top Layer w0.15: R315.1@103.48,102 LED24.A@104.75,102
NetLED25_A: LED25.A R317.1 | length 1.3
  Top Layer w0.15: R317.1@103.48,104.5 LED25.A@104.75,104.5
NetLED26_A: LED26.A R319.1 | length 1.3
  Top Layer w0.15: R319.1@103.46,107 LED26.A@104.75,107
NetLED27_A: LED27.A R320.1 | length 1.3
  Top Layer w0.15: R320.1@103.46,109.5 LED27.A@104.75,109.5
NetLED28_A: LED28.A R331.1 | length 1.3
  Top Layer w0.175: R331.1@103.48,97 LED28.A@104.75,97
NetLED29_A: LED29.A R81.2 | length 1.1
  Top Layer w0.175: R81.2@51.98,42 LED29.A@53.05,42
NetR33_1: R33.1 T1.5 T1.6 | length 1.5
  Bottom Layer w0.175: T1.5@33.4,87.465 T1.6@33.9,87.465 33.915,87.48 R33.1@34.9,87.48
NetR34_1: R34.1 T1.3 | length 1.3
  Bottom Layer w0.175: R34.1@31.8,85.525 32.675,85.525 32.9,85.75 T1.3@32.9,85.885
NetR56_1: R56.1 X2.2 | length 2.3
  Top Layer w0.5: X2.2@7.2,82.13 7.471,82.13 7.976,81.625 R56.1@9.3,81.625
NetR57_2: R57.2 X2.5 | length 5.3
  Top Layer w0.5: X2.5@4.66,77.05 5.91,75.8 9.325,75.8 9.375,75.8 R57.2@9.4,75.775
NetR58_1: R58.1 R59.2 T5.3 | length 5.1
  Top Layer w0.15: R58.1@11.48,85.4 R59.2@12.58,85.4 ; v1(12.579,86.058) 12.579,85.401 R59.2@12.58,85.4 ; R59.2@12.6,85.38 R59.2@12.58,85.4
  Bottom Layer w0.15: T5.3@10.9,87.7 10.9,86.49 11.592,85.798 12.198,85.798 12.457,86.058 v1(12.579,86.058)
NetR60_1: R60.1 X2.8 | length 2.2
  Top Layer w0.5: X2.8@7.2,74.51 7.207,74.517 9.392,74.517 R60.1@9.4,74.525
NetR63_1: R63.1 T5.1 | length 1.4
  Bottom Layer w0.175: R63.1@8.8,89.12 9.42,89.12 9.95,89.65 T5.1@9.95,89.7